# Altium PCB UAARG Autopilot.PcbDoc (part 4 of 4)
Units mm, origin at the board's own origin, x right, y up, seen from the top; angles counter-clockwise.
Board outline 89.53 x 95.22 mm, 4 copper layers (Top Layer, Mid Layer 1, Mid Layer 2, Bottom Layer), stack 1.641 mm thick; 296 components, 241 nets, 1208 pads, 606 vias.
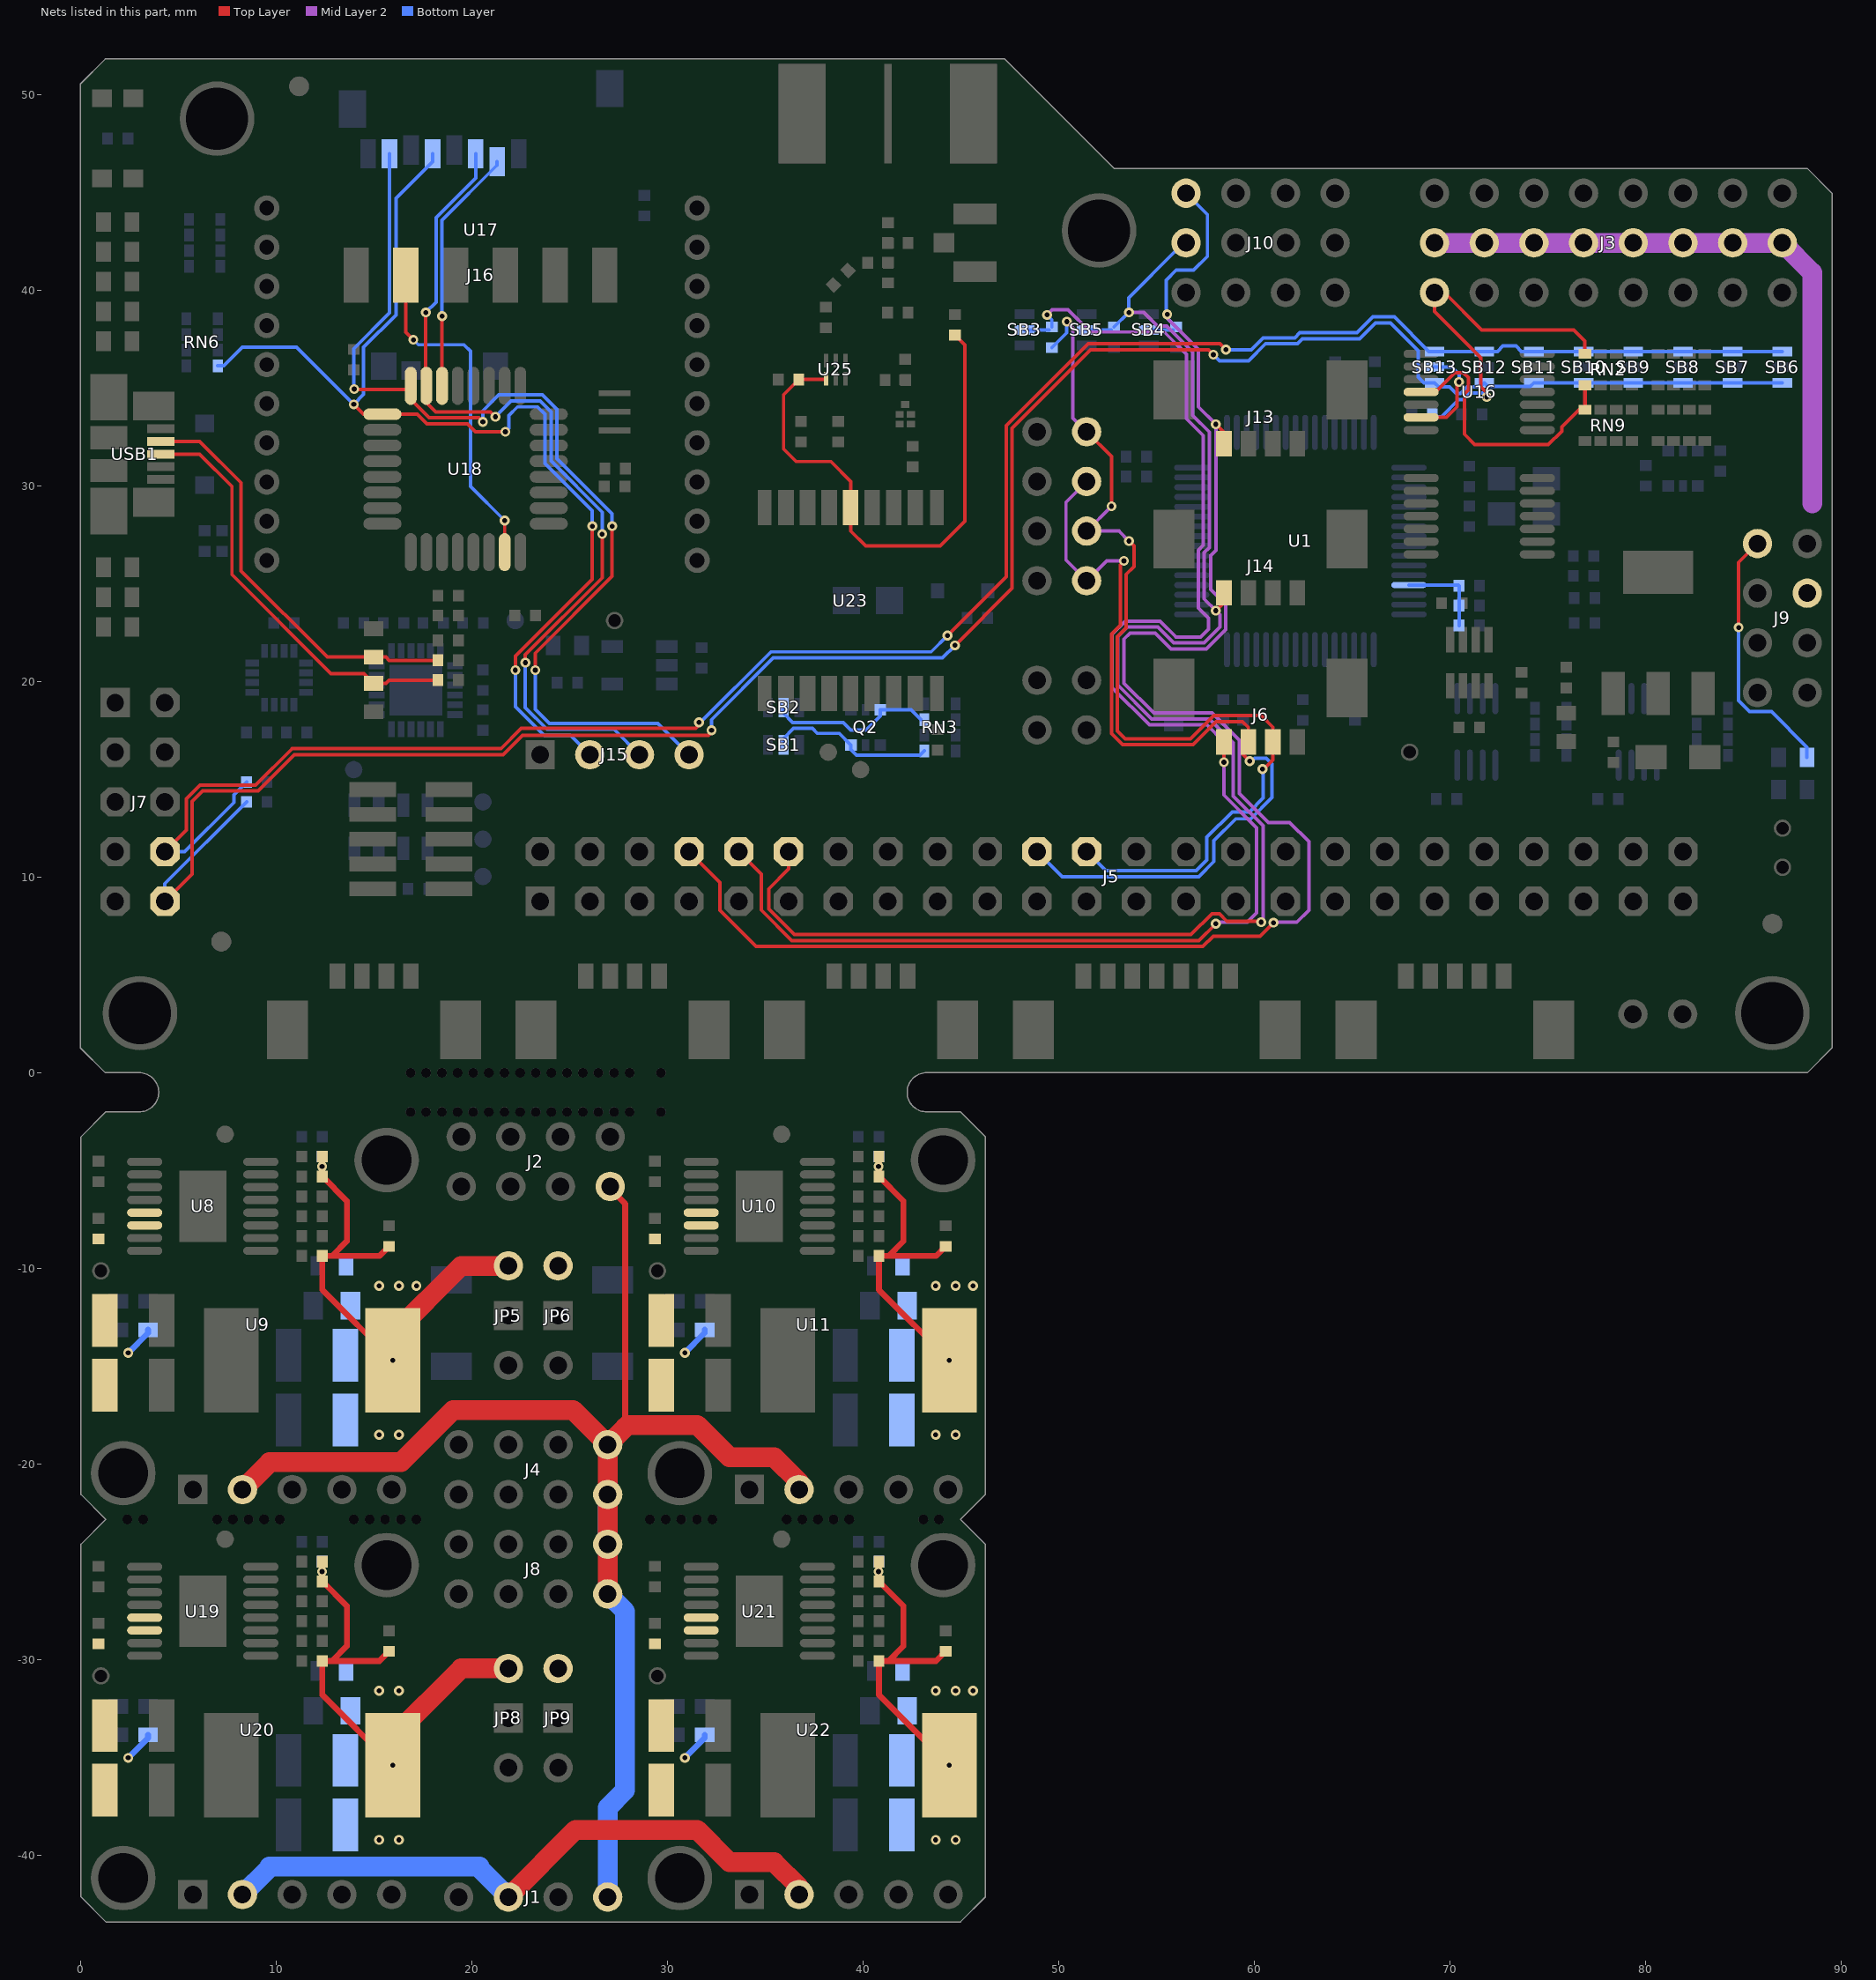
[diagram p6: the nets of this part, all layers, seen from the top]

## Via types
v1: diameter 0.508, hole 0.254, Top Layer to Bottom Layer, tented both sides, 537 vias
v2: diameter 0.61, hole 0.305, Top Layer to Bottom Layer, 48 vias
v3: diameter 0.508, hole 0.254, Top Layer to Bottom Layer, 8 vias
v4: diameter 0.889, hole 0.508, Top Layer to Bottom Layer, 5 vias
v5: diameter 0.508, hole 0.254, Top Layer to Bottom Layer, tented bottom, 5 vias
v6: diameter 0.508, hole 0.254, Top Layer to Bottom Layer, tented top, 3 vias

## Nets (pads, with @x,y where several pads share a name; then routed paths per layer and width w, separated by ;. In a path a pad name is that pad's centre, name@x,y a point inside that pad or via, vN(x,y) a via of type N, cw(c..) or ccw(c..) an arc to the next point about the centre after c; other vN are vias at no path point) (continued)
S8: RN2.1 RN9.4 U16.11 | length 14.4
  Top Layer w0.178: U16.11@68.531,34.798 69.266,34.798 70.256,35.789 70.688,35.789 70.942,35.535 70.942,34.9 70.739,34.696 70.739,32.639 71.272,32.106 75.032,32.106 75.717,32.791 75.717,33.02 76.594,33.896 RN9.4@76.905,33.896
  Top Layer w0.203: RN9.4@76.905,33.896 RN2.1@76.905,35.141
S8_EN: SB13.2 U16.13 | length 5.2
  Top Layer w0.178: U16.13@68.531,33.498 69.82,33.498 70.358,34.036 70.358,35.179 v1@70.485,35.306
  Bottom Layer w0.178: SB13.2@69.215,36.068 70.104,36.068 70.485,35.687 v1@70.485,35.306
  other v1: 70.46,35.306
S8_OUT: J3.22 R9.2 RN2.8 | length 19.2
  Top Layer w0.178: v1(71.882,34.544) 71.882,34.76 71.577,35.064 71.577,36.55 69.215,38.912 J3.22@69.215,39.878 69.723,39.878 71.628,37.973 76.327,37.973 76.905,37.395 RN2.8@76.905,36.741
  Bottom Layer w0.178: R9.2@69.105,33.528 69.571,33.528 70.46,34.417 70.674,34.417 71.004,34.747 71.679,34.747 v1(71.882,34.544)
SERVO_PWR: J3.2 J3.5 J3.8 J3.11 J3.14 J3.17 J3.20 J3.23 J9.4 | length 31.7
  Mid Layer 2 w1.016: J3.23@69.215,42.418 J3.20@71.755,42.418 J3.17@74.295,42.418 J3.14@76.835,42.418 J3.11@79.375,42.418 J3.8@81.915,42.418 J3.5@84.455,42.418 J3.2@86.995,42.418 88.519,40.894 88.519,29.1
SET1_EN: J7.8 R43.1 SB6.1 SB7.1 SB8.1 SB9.1 SB10.1 SB11.1 SB12.1 SB13.1 | length 106.8
  Top Layer w0.178: J7.8@4.318,11.303 5.41,12.395 5.41,13.996 6.121,14.707 8.959,14.707 10.813,16.561 21.488,16.561 22.53,17.602 31.445,17.602 31.623,17.78 v1(31.623,17.907) ; v1(44.323,22.352) 47.32,25.349 47.32,33.072 51.51,37.262 58.242,37.262 v1(58.547,36.957)
  Bottom Layer w0.178: J7.8@4.318,11.303 5.334,11.303 7.844,13.813 7.844,14.211 R43.1@8.492,14.859 ; v1(31.623,17.907) 31.623,17.78 31.699,17.856 31.699,17.918 35.295,21.514 43.485,21.514 v1(44.323,22.352) ; v1(58.547,36.957) 59.844,36.957 60.453,37.567 62.078,37.567 62.332,37.821 65.253,37.821 66.065,38.633 67.158,38.633 68.923,36.868 SB13.1@69.215,36.868 SB12.1@71.755,36.868 72.428,36.868 72.707,37.148 73.38,37.148 73.66,36.868 SB11.1@74.295,36.868 SB10.1@76.835,36.868 SB9.1@79.375,36.868 SB8.1@81.915,36.868 SB7.1@84.455,36.868 SB6.1@86.995,36.868
SET2_EN: J7.10 R42.1 SB6.3 SB7.3 SB8.3 SB9.3 SB10.3 SB11.3 SB12.3 SB13.3 | length 112.2
  Top Layer w0.178: J7.10@4.318,8.763 5.715,10.16 5.715,13.87 6.247,14.402 9.085,14.402 10.939,16.256 21.615,16.256 22.606,17.247 32.106,17.247 v1@32.258,17.399 ; v1(44.704,21.844) 47.625,24.765 47.625,32.946 51.636,36.957 57.658,36.957 v1(57.912,36.703)
  Bottom Layer w0.178: J7.10@4.318,8.763 4.318,9.669 R42.1@8.492,13.843 ; v1@32.258,17.399 32.258,18.046 35.421,21.209 44.069,21.209 v1(44.704,21.844) ; v1(57.912,36.703) 58.217,36.398 59.716,36.398 60.58,37.262 62.204,37.262 62.458,37.516 65.38,37.516 66.192,38.329 66.954,38.329 68.377,36.906 68.377,35.56 68.669,35.268 SB13.3@69.215,35.268 69.431,35.052 69.989,35.052 70.319,34.722 70.547,34.722 70.878,35.052 71.539,35.052 SB12.3@71.755,35.268 71.946,35.077 74.104,35.077 SB11.3@74.295,35.268 SB10.3@76.835,35.268 SB9.3@79.375,35.268 SB8.3@81.915,35.268 SB7.3@84.455,35.268 SB6.3@86.995,35.268
  other v1: 32.258,17.501
SPI_CS: U17.2 U18.14 | length 12.6
  Top Layer w0.178: U18.14@18.485,35.111 v1(18.485,38.678)
  Bottom Layer w0.178: v1(18.485,38.678) 18.485,43.581 21.302,46.398 U17.2@21.302,46.571
SPI_MISO: J15.4 U17.7 U18.16 | length 52.3
  Top Layer w0.178: v1@13.995,34.925 U18.16@16.699,34.925 ; U18.16@16.885,35.111 16.885,34.423 17.831,33.477 20.371,33.477 v1(20.574,33.274) ; v1(23.25,20.582) 23.25,21.447 27.178,25.375 v1(27.178,27.94)
  Bottom Layer w0.178: v1@13.97,34.95 13.97,37.007 15.802,38.839 U17.7@15.802,46.971 ; v1(20.574,33.274) 20.574,33.833 21.387,34.646 23.621,34.646 24.359,33.908 24.359,31.394 27.178,28.575 v1(27.178,27.94) ; v1(23.25,20.582) 23.25,18.584 23.977,17.856 29.515,17.856 J15.4@31.115,16.256
  other v1: 13.995,34.95
SPI_MOSI: J15.3 U17.3 U18.15 | length 45.7
  Top Layer w0.178: v1(17.653,38.862) 17.653,35.143 U18.15@17.685,35.111 17.685,34.258 18.161,33.782 20.955,33.782 v1(21.209,33.528) ; v1(22.742,20.963) 22.742,21.37 26.67,25.298 v1@26.67,27.559
  Bottom Layer w0.178: v1(17.653,38.862) 18.18,39.389 18.18,43.707 20.202,45.729 U17.3@20.202,46.971 ; v1(21.209,33.528) 22.022,34.341 23.494,34.341 24.054,33.781 24.054,31.268 26.67,28.652 v1(26.67,27.534) ; v1(22.742,20.963) 22.742,18.66 23.851,17.551 27.28,17.551 J15.3@28.575,16.256
SPI_SCK: J15.2 RN6.8 U17.5 U18.17 | length 56.8
  Top Layer w0.178: v1(13.97,34.163) 14.472,33.661 U18.17@15.435,33.661 17.216,33.661 17.705,33.172 19.787,33.172 20.193,32.766 v1(21.717,32.766) ; v1(22.234,20.582) 22.234,21.294 26.162,25.222 v1(26.162,27.94)
  Bottom Layer w0.178: RN6.8@7.023,36.138 7.334,36.138 8.28,37.084 11.049,37.084 v1(13.97,34.163) 14.478,34.671 14.478,37.084 16.129,38.735 16.129,44.704 18.002,46.577 U17.5@18.002,46.971 ; v1(21.717,32.766) 21.895,32.944 21.895,33.59 22.34,34.036 23.368,34.036 23.749,33.655 23.749,31.142 26.162,28.729 v1(26.162,27.94) ; v1(22.234,20.582) 22.234,18.711 23.698,17.247 25.044,17.247 J15.2@26.035,16.256
TXO: J16.5 U18.31 | length 17.6
  Top Layer w0.178: J16.5@16.637,40.767 16.637,37.846 v1(17.018,37.465) ; U18.31@21.685,26.611 v1(21.685,28.226)
  Bottom Layer w0.178: v1(17.018,37.465) 17.272,37.211 19.609,37.211 19.939,36.881 19.939,29.972 v1(21.685,28.226)
UART1_VCC: J5.8 J10.1 J13.1 R7.2 SB4.2 | length 90.5
  Top Layer w0.178: J5.8@31.115,11.303 32.689,9.729 32.689,8.299 34.536,6.452 57.379,6.452 57.912,6.985 60.3,6.985 60.541,7.226 60.545,7.226 60.82,7.502 60.82,7.506 v1@61.011,7.696 ; v1(58.039,33.147) 58.45,32.736 J13.1@58.45,32.153
  Mid Layer 2 w0.178: v1@55.626,38.786 55.626,38.752 55.499,38.625 57.15,36.974 57.15,34.036 v1(58.039,33.147) 58.039,26.697 57.785,26.443 57.785,24.698 58.547,23.936 58.547,22.657 57.556,21.666 55.754,21.666 54.941,22.479 53.651,22.479 53.34,22.168 53.34,19.914 54.864,18.39 57.836,18.39 59.233,16.992 59.233,14.274 60.719,12.788 61.812,12.788 62.789,11.812 62.789,8.306 62.179,7.696 61.011,7.696 v1(60.985,7.671)
  Bottom Layer w0.178: SB4.2@54.61,37.973 R7.2@55.863,37.973 ; R7.2@56.007,38.117 55.499,38.625 55.499,40.513 56.007,41.021 56.896,41.021 57.607,41.732 57.607,43.866 J10.1@56.515,44.958
  other v1: 55.55,38.76
UART3_RX_E: J5.24 J6.3 JP1.2 JP2.2 R4.1 | length 50.7
  Top Layer w0.178: JP1.2@51.435,32.766 52.705,31.496 v1(52.705,28.956) ; v1(53.594,27.178) 53.848,26.924 53.848,25.871 53.455,25.478 53.455,22.745 53.01,22.3 53.01,17.464 53.405,17.069 56.743,17.069 57.924,18.25 60.363,18.25 60.95,17.663 J6.3@60.95,16.913 60.95,15.992 v1@60.452,15.494
  Mid Layer 2 w0.178: v1(50.421,38.396) 50.732,38.085 50.732,33.469 JP1.2@51.435,32.766 ; v1(52.705,28.956) JP2.2@51.435,27.686 53.086,27.686 v1(53.594,27.178)
  Bottom Layer w0.178: R4.1@49.657,37.067 50.421,37.831 v1(50.421,38.396) ; J5.24@51.435,11.303 52.412,10.326 57.039,10.326 57.582,10.869 57.582,12.04 58.877,13.335 59.748,13.335 60.452,14.039 v1@60.452,15.494
  other v1: 60.427,15.519
UART3_TX_E: J5.22 J6.2 JP3.2 JP4.2 | length 44.7
  Top Layer w0.178: v1(53.34,26.162) 53.15,25.972 53.15,22.871 52.705,22.426 52.705,17.337 53.278,16.764 56.869,16.764 58.051,17.945 59.398,17.945 59.7,17.643 J6.2@59.7,16.913 ; J6.2@59.436,16.637 59.436,16.256 v1@59.817,15.875
  Mid Layer 2 w0.178: JP3.2@51.435,30.226 50.377,29.168 50.377,26.204 JP4.2@51.435,25.146 52.451,26.162 v1(53.34,26.162)
  Bottom Layer w0.178: J5.22@48.895,11.303 50.177,10.021 57.165,10.021 57.937,10.794 57.937,11.862 59.055,12.979 59.823,12.979 60.909,14.066 60.909,15.773 60.604,16.078 60.02,16.078 v1@59.817,15.875
  other v1: 59.766,15.926
UART3_VCC: J5.10 J6.1 R4.2 SB3.2 | length 80.6
  Top Layer w0.178: J5.10@33.655,11.303 34.798,10.16 34.798,8.317 36.358,6.756 57.175,6.756 v1(58.039,7.62) ; v1(58.45,15.875) J6.1@58.45,16.913
  Mid Layer 2 w0.178: v1(49.403,38.735) 49.667,38.999 50.485,38.999 51.621,37.863 55.399,37.863 56.54,36.721 56.54,33.426 57.394,32.573 57.394,26.964 57.14,26.71 57.14,23.759 57.658,23.241 57.658,22.676 57.258,22.276 56.006,22.276 55.193,23.089 53.399,23.089 52.73,22.42 52.73,19.686 54.636,17.78 57.583,17.78 58.45,16.913 v1(58.45,15.875) 58.45,14.194 60.122,12.522 60.122,8.179 59.639,7.696 v1@58.039,7.696
  Bottom Layer w0.178: SB3.2@48.26,37.973 R4.2@49.513,37.973 ; v1(49.403,38.735) 49.657,38.481 R4.2@49.657,38.117
UART5_VCC: J5.12 J10.5 J14.1 R8.2 SB5.2 | length 81.8
  Top Layer w0.178: J5.12@36.195,11.303 36.195,10.414 35.179,9.398 35.179,8.367 36.484,7.061 56.769,7.061 57.836,8.128 58.217,8.128 58.598,7.747 v1@60.198,7.747 ; v1(58.039,23.622) 58.45,24.033 J14.1@58.45,24.533
  Mid Layer 2 w0.178: v1@53.721,38.862 54.348,38.862 55.042,38.168 55.525,38.168 56.845,36.848 56.845,33.604 57.699,32.751 57.699,26.838 57.445,26.584 57.445,24.216 v1(58.039,23.622) 58.242,23.419 58.242,22.783 57.43,21.971 55.88,21.971 55.067,22.784 53.525,22.784 53.035,22.294 53.035,19.812 54.762,18.085 57.709,18.085 58.928,16.866 58.928,14.148 60.452,12.624 v1@60.452,7.696
  Bottom Layer w0.178: SB5.2@51.435,37.973 R8.2@52.688,37.973 ; R8.2@52.832,38.117 53.585,38.871 53.585,39.615 56.007,42.037 J10.5@56.007,42.418
  other v1: 60.35,7.696 53.594,38.862
UART_RX: Q2.3 RN3.7 SB2.2 | length 8.5
  Bottom Layer w0.178: SB2.2@35.941,18.669 35.941,18.364 36.398,17.907 38.989,17.907 39.37,17.526 40.162,17.526 40.882,18.246 Q2.3@40.882,18.553 42.461,18.553 RN3.7@42.961,18.053
UART_TX: Q2.6 RN3.5 SB1.2 | length 8.5
  Bottom Layer w0.178: SB1.2@35.941,16.764 35.941,17.094 36.449,17.602 37.415,17.602 37.669,17.348 38.787,17.348 Q2.6@39.382,16.753 39.382,16.523 39.675,16.231 42.92,16.231 RN3.5@43.142,16.453
USB_D_N: R20.2 USB1.2 Z1.2 | length 21.4
  Top Layer w0.178: USB1.2@4.11,32.273 6.093,32.273 8.204,30.161 8.204,25.654 12.612,21.246 Z1.2@14.986,21.246 15.611,21.246 15.775,21.082 R20.2@18.271,21.082
USB_D_P: R21.2 USB1.3 Z2.2 | length 21.7
  Top Layer w0.178: USB1.3@4.11,31.623 6.096,31.623 7.747,29.972 7.747,25.465 12.809,20.403 14.485,20.403 Z2.2@14.986,19.902 15.611,19.902 15.775,20.066 R21.2@18.271,20.066
VCC_RF: C88.1 R68.1 U23.14 U25.4 | length 28.3
  Top Layer w0.178: U25.4@38.108,35.481 38.06,35.433 C88.1@36.72,35.433 35.941,34.654 35.941,31.877 36.576,31.242 38.354,31.242 39.37,30.226 U23.14@39.37,28.88 39.37,27.686 40.132,26.924 43.942,26.924 45.212,28.194 45.212,37.194 R68.1@44.704,37.702
VDDA: C11.2 C12.1 L1.2 U1.13 | length 4.6
  Bottom Layer w0.178: U1.13@67.907,24.928 C12.1@70.432,24.928 ; L1.2@70.468,22.86 C11.2@70.468,23.876 C12.1@70.468,24.892
VIN: C28.1 C29.1 C35.1 C41.1 C42.1 C48.1 J1.1 J2.2 J4.1 J4.2 J8.1 J8.2 R25.2 R32.2 U8.13 U8.14 U9.2 U10.13 U10.14 U11.2 | length 75
  Top Layer w0.305: J2.2@26.954,-5.81 27.843,-6.699 27.843,-18.129
  Top Layer w1.016: U9.2@8.285,-21.304 9.645,-19.944 ; 9.657,-19.907 16.388,-19.907 19.055,-17.24 25.176,-17.24 J4.1@26.954,-19.018 ; J8.2@26.954,-26.638 J8.1@26.954,-24.098 J4.2@26.954,-21.558 J4.1@26.954,-19.018 ; 27.843,-18.129 J4.1@26.954,-19.018 ; 27.97,-18.002 31.526,-18.002 33.177,-19.653 35.463,-19.653 36.733,-20.923 U11.2@36.733,-21.304
  Bottom Layer w0.305: v1(2.443,-14.319) 3.459,-13.303 R25.2@3.459,-13.139 ; v1(30.891,-14.319) 31.907,-13.303 R32.2@31.907,-13.139
  Bottom Layer w1.016: J1.1@26.954,-42.132 26.954,-37.56 27.843,-36.671 27.843,-27.527 J8.2@26.954,-26.638 ; J8.1@26.954,-24.098 J4.2@26.954,-21.558
VIN_BCKP: C59.1 C60.1 C66.1 C72.1 C73.1 C79.1 J1.3 R48.2 R55.2 U19.13 U19.14 U20.2 U21.13 U21.14 U22.2 | length 35.5
  Top Layer w1.016: J1.3@21.874,-42.132 25.303,-38.703 31.526,-38.703 33.177,-40.354 35.463,-40.354 U22.2@36.733,-41.624
  Bottom Layer w0.305: v1(2.443,-35.02) 3.459,-34.004 R48.2@3.459,-33.84 ; v1(30.891,-35.02) 31.907,-34.004 R55.2@31.907,-33.84
  Bottom Layer w1.016: U20.2@8.285,-42.005 9.645,-40.645 ; 9.657,-40.583 20.399,-40.583 ; 20.387,-40.645 J1.3@21.874,-42.132
VIN_REF: J9.1 R2.2 | length 13.4
  Top Layer w0.178: v1(84.759,22.759) 84.759,26.085 J9.1@85.725,27.051
  Bottom Layer w0.178: v1(84.759,22.759) 84.759,19.031 85.325,18.465 86.435,18.465 88.255,16.645 R2.2@88.255,16.123
VOUT_5V_BACKUP_LOCAL: C57.2 C61.1 C62.1 C63.1 C64.1 C65.1 JP8.1 L4.2 R47.1 R49.1 R50.1 | length 25.2
  Top Layer w0.305: C61.1@12.366,-24.987 R50.1@12.366,-26.003 13.619,-27.256 13.619,-29.305 12.857,-30.067 ; R49.1@15.778,-29.576 15.287,-30.067 12.857,-30.067 ; v5(15.966,-35.401) 12.366,-31.801 C57.2@12.366,-30.067 12.857,-30.067
  Top Layer w1.016: v5(15.966,-35.401) 15.966,-33.943 19.461,-30.448 JP8.1@21.874,-30.448
  other v1: 15.27,-39.211 16.286,-39.211 15.27,-31.591 16.286,-31.591
  other v3: 12.349,-25.495
VOUT_5V_BACKUP_SERVO: C70.2 C74.1 C75.1 C76.1 C77.1 C78.1 JP9.1 L5.2 R54.1 R56.1 R57.1 | length 16.4
  Top Layer w0.305: C74.1@40.814,-24.987 R57.1@40.814,-26.003 42.067,-27.256 42.067,-29.305 41.305,-30.067 ; R56.1@44.226,-29.576 43.735,-30.067 41.305,-30.067 ; v5(44.414,-35.401) 40.814,-31.801 C70.2@40.814,-30.067 41.305,-30.067
  other v1: 43.718,-39.211 44.734,-39.211 43.718,-31.591 44.734,-31.591 45.623,-31.591
  other v3: 40.797,-25.495
VOUT_5V_MAIN_EXT: C39.2 C43.1 C44.1 C45.1 C46.1 C47.1 JP6.1 L3.2 R31.1 R33.1 R34.1 | length 16.4
  Top Layer w0.305: C43.1@40.814,-4.286 R34.1@40.814,-5.302 42.067,-6.555 42.067,-8.604 41.305,-9.366 ; R33.1@44.226,-8.875 43.735,-9.366 41.305,-9.366 ; v5(44.414,-14.7) 40.814,-11.1 C39.2@40.814,-9.366 41.305,-9.366
  other v1: 43.718,-18.51 44.734,-18.51 43.718,-10.89 44.734,-10.89 45.623,-10.89
  other v3: 40.797,-4.794
VOUT_5V_MAIN_LOCAL: C26.2 C30.1 C31.1 C32.1 C33.1 C34.1 JP5.1 L2.2 R24.1 R26.1 R27.1 | length 25.2
  Top Layer w0.305: C30.1@12.366,-4.286 R27.1@12.366,-5.302 13.619,-6.555 13.619,-8.604 12.857,-9.366 ; R26.1@15.778,-8.875 15.287,-9.366 12.857,-9.366 ; v5(15.966,-14.7) 12.366,-11.1 C26.2@12.366,-9.366 12.857,-9.366
  Top Layer w1.016: L2.2@15.966,-14.827 15.966,-13.369 19.461,-9.874 JP5.1@21.874,-9.874
  other v1: 15.27,-18.51 16.286,-18.51 15.27,-10.89 16.286,-10.89 17.175,-10.89
  other v3: 12.349,-4.794
pads on no net: FID1.P$1 FID2.P$1 FID3.P$1 FID4.P$1 FID5.P$1 FID6.P$1 J6.0 J11.0 J12.0 J13.0 J14.0 J19.0 J20.0 J21.0 MH1.MH MH2.MH MH3.MH MH4.MH S1.2 S1.3 U3.2 U3.3 U3.4 U3.5 U3.14 U3.15 U3.16 U3.17 U3.19 U3.21 U3.22 U4.3 U4.5 U4.6 U4.7 U4.14 U5.5 U17.1 U17.8 U18.1 U18.2 U18.10 U18.11 U18.12 U18.13 U18.19 U18.22 U18.23 U18.24 U18.26 U18.27 U18.28 U18.32 U23.15 U23.16 U23.17 U23.18

## Polygon pours and split planes (outlines as drawn)
GND on Mid Layer 1 "MidLayer1_GND" (solid, remove dead copper, pour order 126): 0,51.816 47.244,51.816 52.832,46.228 89.535,46.228 89.535,1.27 88.265,0 0,0
GND on Mid Layer 1 "Mid Layer 1 (GND)" (solid, remove dead copper, pour order 290): 44.988,-2 46.258,-3.27 46.258,-42.132 44.988,-43.402 1.3,-43.402 0.03,-42.132 0.03,-3.27 1.3,-2
no net on Top Overlay "Top Overlay 2" (solid): 27.305,14.351 29.845,14.351 29.845,5.715 27.305,5.715
no net on Top Overlay "Top Overlay 2" (solid): 1.143,20.193 3.048,20.193 3.048,12.573 1.143,12.573 0.508,13.208 0.508,14.478 1.143,15.113 0.508,15.748 0.508,17.018 1.143,17.653 0.508,18.288 0.508,19.558
no net on Top Overlay "Top Overlay 2" (solid): 62.865,46.228 65.405,46.228 65.405,38.608 62.865,38.608
no net on Top Overlay "Top Overlay 1" (solid): 67.945,43.688 67.945,46.228 88.265,46.228 88.265,43.688
no net on Top Overlay "Top Overlay 2" (solid): 25.684,-40.735 25.684,-43.402 23.144,-43.402 23.144,-40.735
no net on Top Overlay "Top Overlay 2" (solid): 20.604,-40.735 20.604,-43.402 18.064,-43.402 18.064,-40.735
no net on Top Overlay "Top Overlay 2" (solid): 87.595,28.321 88.9,28.321 89.535,27.686 89.535,26.381 88.9,25.788 87.637,25.788 87.002,26.423 87.002,27.686
no net on Top Overlay "Top Overlay 2" (solid): 26.411,-2 27.716,-2 28.351,-2.635 28.351,-3.94 27.716,-4.533 26.453,-4.533 25.818,-3.898 25.818,-2.635
no net on Top Overlay "Top Overlay 2" (solid): 23.744,-20.288 25.049,-20.288 25.684,-20.923 25.684,-22.228 25.049,-22.821 23.786,-22.821 23.151,-22.186 23.151,-20.923
no net on Top Overlay "Top Overlay 2" (solid): 23.744,-22.828 25.049,-22.828 25.684,-23.463 25.684,-24.768 25.049,-25.361 23.786,-25.361 23.151,-24.726 23.151,-23.463
GND on Top Layer "Top Layer (DCDC3_4_GND)" (solid, remove dead copper, pour order 107): 0.03,-22.828 0.03,-43.402 46.258,-43.402 46.258,-22.828
VOUT_5V_BACKUP_SERVO on Top Layer "Top Layer (VOUT_5V_BACKUP_SERVO)" (solid, remove dead copper, pour order 106): 46.258,-30.448 46.258,-38.576 44.781,-40.1 41.088,-40.1 41.088,-38.195 38.257,-38.195 38.257,-32.607 40.287,-30.448
GND on Top Layer "Top Layer (DCDC1_2_GND)" (solid, remove dead copper, pour order 100): 0.03,-2.127 0.03,-22.701 46.258,-22.701 46.258,-2.127
VOUT_5V_MAIN_EXT on Top Layer "Top Layer (VOUT_5V_MAIN_EXT)" (solid, remove dead copper, pour order 96): 46.258,-9.747 46.258,-17.875 44.781,-19.399 41.088,-19.399 41.088,-17.494 38.257,-17.494 38.257,-11.906 40.287,-9.747
GND on Top Layer "TopLayer_GND_Antenna" (solid, pour order 90): 34.417,51.816 47.117,51.816 50.5,48.433 50.5,37.765 46.258,33.523 46.258,28.702 34.417,28.702
GND on Top Layer "TopLayer_GND_SERVO" (solid, pour order 89): 66.294,46.228 66.294,41.402 89.535,41.402 89.535,46.228
VIN on Top Layer "Top Layer (VIN 2)" (solid, remove dead copper, pour order 94): 31.78,-6.953 31.78,-7.969 30.637,-7.969 30.637,-9.62 31.399,-10.382 31.399,-17.24 32.923,-18.764 38.003,-18.764 38.003,-22.701 28.478,-22.701 28.478,-7.461 29.875,-7.461 30.383,-6.953
NetC39_1 on Top Layer "Top Layer (DCDC1_L)" (solid, remove dead copper, pour order 95): 36.733,-8.283 39.213,-8.283 39.527,-7.969 40.162,-7.969 40.162,-9.747 38.003,-11.906 38.003,-17.494 34.447,-17.494 34.447,-12.287 36.733,-10.001
VOUT_5V_MAIN_LOCAL on Top Layer "Top Layer (VOUT_5V_MAIN_LOCAL)" (solid, remove dead copper, pour order 99): 18.064,-9.747 18.064,-17.875 16.54,-19.399 12.73,-19.399 12.73,-17.494 9.809,-17.494 9.809,-11.906 11.904,-9.747
VIN on Top Layer "Top Layer (VIN)" (solid, remove dead copper, pour order 97): 3.332,-6.953 3.332,-7.969 2.189,-7.969 2.189,-9.62 2.951,-10.382 2.951,-17.24 4.475,-18.764 9.555,-18.764 9.555,-22.701 1.3,-22.701 0.03,-21.431 0.03,-7.461 1.427,-7.461 1.935,-6.953
NetC26_1 on Top Layer "Top Layer (DCDC2_L)" (solid, remove dead copper, pour order 98): 8.285,-8.283 10.765,-8.283 11.079,-7.969 11.714,-7.969 11.714,-9.747 9.555,-11.906 9.555,-17.494 5.999,-17.494 5.999,-12.287 8.285,-10.001
NetC57_1 on Top Layer "Top Layer (DCDC4_L)" (solid, remove dead copper, pour order 102): 8.285,-28.984 10.765,-28.984 11.079,-28.67 11.714,-28.67 11.714,-30.448 9.555,-32.607 9.555,-38.195 5.999,-38.195 5.999,-32.988 8.285,-30.702
VIN_BCKP on Top Layer "Top Layer (VIN_BCKP)" (solid, remove dead copper, pour order 101): 3.332,-27.654 3.332,-28.67 2.189,-28.67 2.189,-30.321 2.951,-31.083 2.951,-37.941 4.475,-39.465 9.555,-39.465 9.555,-43.402 1.3,-43.402 0.03,-42.132 0.03,-28.162 1.427,-28.162 1.935,-27.654
VOUT_5V_BACKUP_LOCAL on Top Layer "Top Layer (VOUT_5V_BACKUP_LOCAL)" (solid, remove dead copper, pour order 103): 18.064,-30.448 18.064,-38.576 16.54,-40.1 12.73,-40.1 12.73,-38.195 9.809,-38.195 9.809,-32.607 11.904,-30.448
NetC70_1 on Top Layer "Top Layer (DCDC3_L)" (solid, remove dead copper, pour order 105): 36.733,-28.984 39.213,-28.984 39.527,-28.67 40.162,-28.67 40.162,-30.448 38.003,-32.607 38.003,-38.195 34.447,-38.195 34.447,-32.988 36.733,-30.702
VIN_BCKP on Top Layer "Top Layer (VIN_BCKP 2)" (solid, remove dead copper, pour order 104): 31.78,-27.654 31.78,-28.67 30.637,-28.67 30.637,-30.321 31.399,-31.083 31.399,-37.941 32.923,-39.465 38.003,-39.465 38.003,-43.402 28.478,-43.402 28.478,-28.162 29.875,-28.162 30.383,-27.654
GND on Top Layer "Top Layer (GND)" (solid, remove dead copper, pour order 91): 0,51.943 34.417,51.943 34.417,28.702 46.676,28.702 46.676,33.359 48.4,35.083 48.4,50.533 52.705,46.228 66.04,46.228 66.04,41.148 89.535,41.148 89.535,0 0,0
GND on Bottom Layer "Bottom Layer (GND)" (solid, remove dead copper, pour order 93): 0,51.943 46.99,51.943 52.705,46.228 66.04,46.228 66.04,41.148 89.535,41.148 89.535,0 0,0
GND on Bottom Layer "BottomLayer_GND_SERVO" (solid, pour order 92): 66.294,46.228 66.294,41.402 89.535,41.402 89.535,46.228
GND on Bottom Layer "Bottom Layer (DCDC1_2_GND)" (solid, remove dead copper, pour order 110): 0.03,-2.127 0.03,-22.701 46.258,-22.701 46.258,-2.127
VOUT_5V_MAIN_EXT on Bottom Layer "Bottom Layer (VOUT_5V_MAIN_EXT)" (solid, remove dead copper, pour order 109): 46.258,-9.366 46.258,-19.145 41.178,-19.145 41.178,-9.366
VOUT_5V_MAIN_LOCAL on Bottom Layer "Bottom Layer (VOUT_5V_MAIN_LOCAL)" (solid, remove dead copper, pour order 108): 18.064,-9.366 18.064,-19.145 12.73,-19.145 12.73,-9.366
GND on Bottom Layer "Bottom Layer (DCDC3_4_GND)" (solid, remove dead copper, pour order 113): 0.03,-22.828 0.03,-43.402 46.258,-43.402 46.258,-22.828
VOUT_5V_BACKUP_LOCAL on Bottom Layer "Bottom Layer (VOUT_5V_BACKUP_LOCAL)" (solid, remove dead copper, pour order 111): 18.064,-30.067 18.064,-39.846 12.73,-39.846 12.73,-30.067
VOUT_5V_BACKUP_SERVO on Bottom Layer "Bottom Layer (VOUT_5V_BACKUP_SERVO)" (solid, remove dead copper, pour order 112): 46.258,-30.067 46.258,-39.846 41.178,-39.846 41.178,-30.067
+3V3 on Mid Layer 2 "Mid Layer (+3V3)" (solid, remove dead copper, pour order 87): 0,51.943 34.417,51.943 34.417,28.702 43.688,28.702 44.988,30.002 44.988,38.626 47.326,38.626 48.8,40.1 48.8,50.133 52.705,46.228 66.04,46.228 66.04,41.148 89.535,41.148 89.535,0 0,0
+5V_ALT on Mid Layer 2 "Mid Layer (EXT_POWER)" (solid, remove dead copper, pour order 84): 80.264,0 80.264,10.2 84.074,10.2 84.074,14.097 86.477,16.5 86.477,23.5 89.535,23.5 89.535,1.27 88.265,0
VOUT_5V_MAIN_EXT on Mid Layer 2 "Mid Layer (VOUT_5V_MAIN_EXT)" (solid, remove dead copper, pour order 114): 23.144,-8.604 23.144,-11.398 26.065,-11.398 29.367,-14.7 40.67,-14.7 40.67,-19.145 46.258,-19.145 46.258,-10.255 44.607,-8.604
DC1M_VOUT on Mid Layer 2 "Mid Layer (DCM1_VOUT)" (solid, remove dead copper, pour order 115): 23.144,-13.43 23.144,-16.351 20.604,-16.351 18.064,-18.891 18.064,-22.32 14.635,-22.32 14.635,-19.145 16.159,-19.145 17.175,-18.129 17.175,-13.43
VOUT_5V_MAIN_LOCAL on Mid Layer 2 "Mid Layer (VOUT_5V_MAIN_LOCAL)" (solid, remove dead copper, pour order 116): 23.144,-8.604 23.144,-11.398 20.096,-11.398 18.064,-13.43 17.175,-13.43 17.175,-18.129 16.159,-19.145 14.635,-19.145 14.635,-8.604
DC2M_VOUT on Mid Layer 2 "Mid Layer (DCM2_VOUT)" (solid, remove dead copper, pour order 117): 23.144,-13.43 23.144,-16.351 28.224,-16.351 30.51,-18.637 37.495,-18.637 41.178,-22.32 46.258,-22.32 46.258,-19.145 40.67,-19.145 40.67,-14.7 29.367,-14.7 28.097,-13.43
DC4M_VOUT on Mid Layer 2 "Mid Layer (DCM4_VOUT)" (solid, remove dead copper, pour order 118): 23.144,-34.131 23.144,-37.052 28.224,-37.052 30.51,-39.338 37.495,-39.338 41.178,-43.021 46.258,-43.021 46.258,-39.846 40.67,-39.846 40.67,-35.401 29.367,-35.401 28.097,-34.131
VOUT_5V_BACKUP_LOCAL on Mid Layer 2 "Mid Layer (VOUT_5V_BACKUP_LOCAL)" (solid, remove dead copper, pour order 119): 23.144,-29.305 23.144,-32.099 20.096,-32.099 18.064,-34.131 17.175,-34.131 17.175,-38.83 16.159,-39.846 14.635,-39.846 14.635,-29.305
DC3M_VOUT on Mid Layer 2 "Mid Layer (DCM3_VOUT)" (solid, remove dead copper, pour order 120): 23.144,-34.131 23.144,-37.052 20.604,-37.052 18.064,-39.592 18.064,-43.021 14.635,-43.021 14.635,-39.846 16.159,-39.846 17.175,-38.83 17.175,-34.131
VOUT_5V_BACKUP_SERVO on Mid Layer 2 "Mid Layer (VOUT_5V_BACKUP_SERVO)" (solid, remove dead copper, pour order 121): 23.144,-29.305 23.144,-32.099 26.065,-32.099 29.367,-35.401 40.67,-35.401 40.67,-39.846 46.258,-39.846 46.258,-30.956 44.607,-29.305
+5V_EXT on Mid Layer 2 "Mid Layer (+5V_EXT)" (solid, remove dead copper, pour order 122): 23.144,-2.508 23.144,-5.175 25.303,-7.334 25.303,-8.604 23.144,-8.604 23.133,-8.593 20.604,-8.604 20.604,-2.508
+5V_MAIN on Mid Layer 2 "Mid Layer (+5V_MAIN)" (solid, remove dead copper, pour order 123): 20.604,-2.508 20.604,-8.477 18.064,-8.477 18.064,-2.508
+5V_SERVO on Mid Layer 2 "Mid Layer (+5V_SERVO)" (solid, remove dead copper, pour order 124): 27.589,-2.508 27.589,-8.604 25.303,-8.604 25.303,-7.334 23.144,-5.175 23.144,-2.508
GND on Mid Layer 2 "Mid Layer (GND_1)" (solid, remove dead copper, pour order 125): 44.988,-2 46.258,-3.27 46.258,-42.132 44.988,-43.402 1.3,-43.402 0.03,-42.132 0.03,-3.27 1.3,-2
SERVO_PWR on Mid Layer 2 "Mid Layer (SERVO_PWR)" (solid, remove dead copper, pour order 86): 84,23.5 89.535,23.5 89.535,28.575 89.535,31.5 88,31.5 84,27.5
+5V on Mid Layer 2 "MidLayer (+5V))" (solid, remove dead copper, pour order 85): 86.477,23.5 80,23.5 80,21.006 83,21 83,14.502 84.475,14.498 86.477,16.5
GND on Mid Layer 2 "MidLayer_GND_Antenna" (solid, pour order 88): 34.417,51.816 48.8,51.816 48.8,28.702 34.417,28.702

## Keep-outs
Keep-Out Layer:
  lines w0.254: 0,1.27 1.27,0 3,0 cw(c3,-1) 3,-2 1.3,-2 0.03,-3.27 0.03,-21.558 1.3,-22.828 0.03,-24.098 0.03,-42.132 1.3,-43.402 44.988,-43.402 46.258,-42.132 46.258,-24.098 44.988,-22.828 46.258,-21.558 46.258,-3.27 44.988,-2 43.258,-2 cw(c43.258,-1) 43.258,0 44.988,0 88.265,0 89.535,1.27 89.535,44.958 88.265,46.228 52.832,46.228 47.244,51.816 1.27,51.816 0,50.546 0,1.27

## Other copper
Top Layer:
  pour cut-out: 15.875,-1.492 15.875,-2.508 30.675,-2.508 30.675,-1.492
  pour cut-out: 15.875,0.508 15.875,-0.508 30.675,-0.508 30.675,0.508
  pour cut-out: 0.792,-22.32 0.792,-23.336 45.496,-23.336 45.496,-22.32
  pour cut-out: 37.084,39.116 cw(c40.259,39.116) 40.259,42.291 40.767,42.291 40.767,40.259 40.259,40.259 ccw(c40.259,39.116) 39.116,39.116 39.116,36.83 37.592,36.83 37.592,36.322 37.084,36.322
Mid Layer 2:
  pour cut-out: 15.875,-1.492 15.875,-2.508 30.675,-2.508 30.675,-1.492
  pour cut-out: 15.875,0.508 15.875,-0.508 30.675,-0.508 30.675,0.508
  pour cut-out: 0.792,-22.32 0.792,-23.336 45.496,-23.336 45.496,-22.32
  pour cut-out: 0.182,3.048 ccw(c3.048,3.048) 3.048,0.182 ccw(c3.048,3.048) 5.914,3.048 ccw(c3.048,3.048) 3.048,5.914 ccw(c3.048,3.048)
  pour cut-out: 49.204,43.053 ccw(c52.07,43.053) 52.07,40.187 ccw(c52.07,43.053) 54.936,43.053 ccw(c52.07,43.053) 52.07,45.919 ccw(c52.07,43.053)
  pour cut-out: 83.621,3.048 ccw(c86.487,3.048) 86.487,0.182 ccw(c86.487,3.048) 89.353,3.048 ccw(c86.487,3.048) 86.487,5.914 ccw(c86.487,3.048)
  pour cut-out: 4.119,48.768 ccw(c6.985,48.768) 6.985,45.902 ccw(c6.985,48.768) 9.851,48.768 ccw(c6.985,48.768) 6.985,51.634 ccw(c6.985,48.768)
Mid Layer 1:
  pour cut-out: 15.875,-1.492 15.875,-2.508 30.675,-2.508 30.675,-1.492
  pour cut-out: 15.875,0.508 15.875,-0.508 30.675,-0.508 30.675,0.508
  pour cut-out: 89.027,43.79 89.027,46.253 66.294,46.253 66.294,43.79
  pour cut-out: 0.792,-22.32 0.792,-23.336 45.496,-23.336 45.496,-22.32
  pour cut-out: 4.119,48.768 ccw(c6.985,48.768) 6.985,45.902 ccw(c6.985,48.768) 9.851,48.768 ccw(c6.985,48.768) 6.985,51.634 ccw(c6.985,48.768)
  pour cut-out: 49.204,43.053 ccw(c52.07,43.053) 52.07,40.187 ccw(c52.07,43.053) 54.936,43.053 ccw(c52.07,43.053) 52.07,45.919 ccw(c52.07,43.053)
  pour cut-out: 83.621,3.048 ccw(c86.487,3.048) 86.487,0.182 ccw(c86.487,3.048) 89.353,3.048 ccw(c86.487,3.048) 86.487,5.914 ccw(c86.487,3.048)
  pour cut-out: 0.182,3.048 ccw(c3.048,3.048) 3.048,0.182 ccw(c3.048,3.048) 5.914,3.048 ccw(c3.048,3.048) 3.048,5.914 ccw(c3.048,3.048)
Bottom Layer:
  pour cut-out: 15.875,-1.492 15.875,-2.508 30.675,-2.508 30.675,-1.492
  pour cut-out: 15.875,0.508 15.875,-0.508 30.675,-0.508 30.675,0.508
  pour cut-out: 0.792,-22.32 0.792,-23.336 45.496,-23.336 45.496,-22.32

## Silkscreen, mask and mechanical layers (free items; w line width, h text height)
Top Overlay:
  drawing of 5074 lines, arcs and shapes, not listed
  text "UAARG" at 47.752,49.149 h1.27 r315
  text "~" at 70.739,40.64 h0.76 r180
  text "~" at 73.279,40.64 h0.76 r180
  text "~" at 75.819,40.64 h0.76 r180
  text "~" at 78.359,40.64 h0.76 r180
  text "~" at 80.899,40.64 h0.76 r180
  text "~" at 83.439,40.64 h0.76 r180
  text "~" at 85.979,40.64 h0.76 r180
  text "FTDI" at 29.362,38.913 h1.52 r90
  text "DTR" at 13.056,37.871 h0.76
  text "TX" at 16.002,37.871 h0.76
  text "RX" at 18.542,37.871 h0.76
  text "3V3" at 20.676,37.871 h0.76
  text "GND" at 23.216,37.871 h0.76
  text "GND" at 25.756,37.871 h0.76
  text "S8" at 68.707,37.592 h0.76
  text "S7" at 71.247,37.592 h0.76
  text "S6" at 73.787,37.592 h0.76
  text "S5" at 76.327,37.592 h0.76
  text "S4" at 78.867,37.592 h0.76
  text "S3" at 81.407,37.592 h0.76
  text "S2" at 83.947,37.592 h0.76
  text "S1" at 86.487,37.592 h0.76
  text "UART1" at 54.4,33.64 h1.52 r90
  text "UAARG Autopilot v2.0" at 34.163,31.369 h1.02 r90
  text "VCC" at 57.785,29.845 h0.76 r90
  text "TX" at 60.051,29.845 h0.76 r90
  text "RX" at 61.301,29.845 h0.76 r90
  text "GND" at 63.754,29.845 h0.76 r90
  text "CTRL" at 86.426,28.346 h1.52 r90
  text "POWER" at 88.969,28.346 h1.52 r90
  text "UART5" at 54.4,26.02 h1.52 r90
  text "RSSI" at 3.429,25.4 h1.52
  text "3V3_SENS" at 26.289,23.903 h0.76
  text "DL-RX" at 3.429,23.876 h1.52
  text "DL-W" at 3.429,22.352 h1.52
  text "VCC" at 57.785,22.225 h0.76 r90
  text "TX" at 60.051,22.225 h0.76 r90
  text "RX" at 61.301,22.225 h0.76 r90
  text "GND" at 63.754,22.225 h0.76 r90
  text "GPS ON" at 47.879,21.59 h1.52
  text "DATALOGGER" at 23.749,20.574 h1.52
  text "UART3" at 54.4,18.4 h1.52 r90
  text "RST" at 22.987,17.78 h0.76 r45
  text "SPCK" at 25.4,17.78 h0.76 r45
  text "MOSI" at 27.94,17.78 h0.76 r45
  text "MISO" at 30.353,17.78 h0.76 r45
  text "3V3" at 68.834,15.875 h0.76
  text "ON" at 75.311,15.371 h1.52
  text "DL ON" at 47.879,15.113 h1.52
  text "VCC" at 57.785,14.605 h0.76 r90
  text "TX" at 60.051,14.605 h0.76 r90
  text "RX" at 61.301,14.605 h0.76 r90
  text "GND" at 63.754,14.605 h0.76 r90
  text "2" at 23.241,13.081 h0.76
  text "4" at 25.781,13.081 h0.76
  text "8" at 30.861,13.081 h0.76
  text "10" at 33.147,13.081 h0.76
  text "12" at 35.687,13.081 h0.76
  text "14" at 38.227,13.081 h0.76
  text "16" at 40.767,13.081 h0.76
  text "18" at 43.307,13.081 h0.76
  text "20" at 45.72,13.081 h0.76
  text "22" at 48.26,13.081 h0.76
  text "24" at 50.8,13.081 h0.76
  text "26" at 53.34,13.081 h0.76
  text "28" at 55.88,13.081 h0.76
  text "30" at 58.42,13.081 h0.76
  text "32" at 60.96,13.081 h0.76
  text "34" at 63.5,13.081 h0.76
  text "36" at 66.04,13.081 h0.76
  text "38" at 68.58,13.081 h0.76
  text "40" at 71.12,13.081 h0.76
  text "42" at 73.66,13.081 h0.76
  text "44" at 76.2,13.081 h0.76
  text "46" at 78.74,13.081 h0.76
  text "48" at 81.28,13.081 h0.76
  text "6" at 28.321,12.954 h1.4
  text "MAIN PWR" at 7.089,12.203 h0.76
  text "5V" at 84.8,12.1 h0.76
  text "EXT PWR" at 7.089,11.203 h0.76
  text "BCKP PWR" at 7.089,10.203 h0.76
  text "GND" at 84.1,10.1 h0.76
  text "SERVO EN" at 7.089,9.203 h0.76
  text "MOTOR EN" at 7.089,8.203 h0.76
  text "1" at 23.368,6.096 h0.76
  text "3" at 25.781,6.096 h0.76
  text "5" at 28.321,6.096 h1.4
  text "7" at 30.861,6.096 h0.76
  text "9" at 33.401,6.096 h0.76
  text "11" at 35.687,6.096 h0.76
  text "13" at 38.227,6.096 h0.76
  text "15" at 40.767,6.096 h0.76
  text "17" at 43.307,6.096 h0.76
  text "19" at 45.847,6.096 h0.76
  text "21" at 48.387,6.096 h0.76
  text "23" at 50.8,6.096 h0.76
  text "25" at 53.34,6.096 h0.76
  text "27" at 55.88,6.096 h0.76
  text "29" at 58.42,6.096 h0.76
  text "31" at 60.96,6.096 h0.76
  text "33" at 63.5,6.096 h0.76
  text "35" at 66.04,6.096 h0.76
  text "37" at 68.58,6.096 h0.76
  text "39" at 71.12,6.096 h0.76
  text "41" at 73.66,6.096 h0.76
  text "43" at 76.2,6.096 h0.76
  text "45" at 78.74,6.096 h0.76
  text "47" at 81.28,6.096 h0.76
  text "->" at 9.5,4.7 h0.76
  text "->" at 22.2,4.7 h0.76
  text "->" at 34.9,4.7 h0.76
  text "->" at 47.63,4.7 h0.76
  text "->" at 64.12,4.7 h0.76
  text "GND" at 78.4,0.7 h0.76
  text "5V" at 81.3,0.7 h0.76
  text "UART2" at 9.08,0.4 h1.52 r90
  text "I2C2" at 21.78,0.4 h1.52 r90
  text "I2C2 5V" at 34.48,0.4 h1.52 r90
  text "SPI1" at 47.21,0.4 h1.52 r90
  text "UART LV" at 63.7,0.4 h1.52 r90
  text "EXT PWR" at 77.8,0.4 h1.52 r90
  text "LOCAL" at 19.334,-8.731 h1.52 r270
  text "LOCAL" at 26.08,-8.731 h1.52 r270
  text "EXT" at 19.334,-13.303 h1.52 r270
  text "EXT" at 26.08,-13.303 h1.52 r270
  text "LOCAL" at 19.334,-29.305 h1.52 r270
  text "LOCAL" at 26.08,-29.305 h1.52 r270
  text "EXT" at 19.334,-33.877 h1.52 r270
  text "EXT" at 26.08,-33.877 h1.52 r270
  text "GND" at 18.191,-40.608 h1.52
  text "BKP" at 20.858,-40.608 h1.52
  text "GND" at 23.271,-40.608 h1.52
  text "VIN" at 26.065,-40.608 h1.52
Bottom Overlay:
  drawing of 7252 lines, arcs and shapes, not listed
  text "COMPASS" at 18.288,31.369 h0.76
  text "ACC/GYRO" at 25.019,31.369 h0.76
  text "X" at 17.018,30.226 h0.76 r180
  text "X" at 22.987,30.226 h0.76 r180
  text "Z" at 15.494,27.051 h0.76 r180
  text "Z" at 21.463,27.051 h0.76 r180
  text "Y" at 14.351,26.289 h0.76
  text "Y" at 20.32,26.289 h0.76
  text "UAARG Autopilot v2.0" at 1.2,22.1 h1.02 r270
  text "University Of Alberta Aerial Robotics Group" at 82.8,6.3 h1.02
  text "Designed by: Eng. Jorge Marin" at 82.7,0.8 h1.02
Mechanical 15:
  lines w0.051: 37.084,36.068 37.084,39.116 cw(c40.259,39.116) 40.259,42.291 40.767,42.291 40.767,40.259 40.259,40.259 ccw(c40.259,39.116) 39.116,39.116 39.116,37.211 38.608,37.211 38.227,37.211 37.084,36.068

## Dimensions
0,50.546 to 47.244,51.816 on Dimensions
1.27,51.816 to 1.27,0 on Dimensions
52.832,46.228 to 89.535,44.958 on Dimensions
88.265,46.228 to 88.265,0 on Dimensions
1.27,0 to 1.3,-2 on Dimensions
1.3,-2 to 1.3,-43.402 on Dimensions
0.03,-42.132 to 46.258,-42.132 on Dimensions
0,50.546 to 89.535,44.958 on Dimensions
1.27,51.816 to 1.3,-43.402 on Dimensions

## Text inside footprints (layer, text, board x,y; h text height)
U12: Top Overlay "11" at 28.025,25.696 h1; Top Overlay "10" at 11.325,25.696 h1; Top Overlay "20" at 28.025,43.696 h1; Top Overlay "1" at 11.325,43.696 h1